# Allegro board pc065c_fibv2_toplevel_28smoothed.brd (continued)
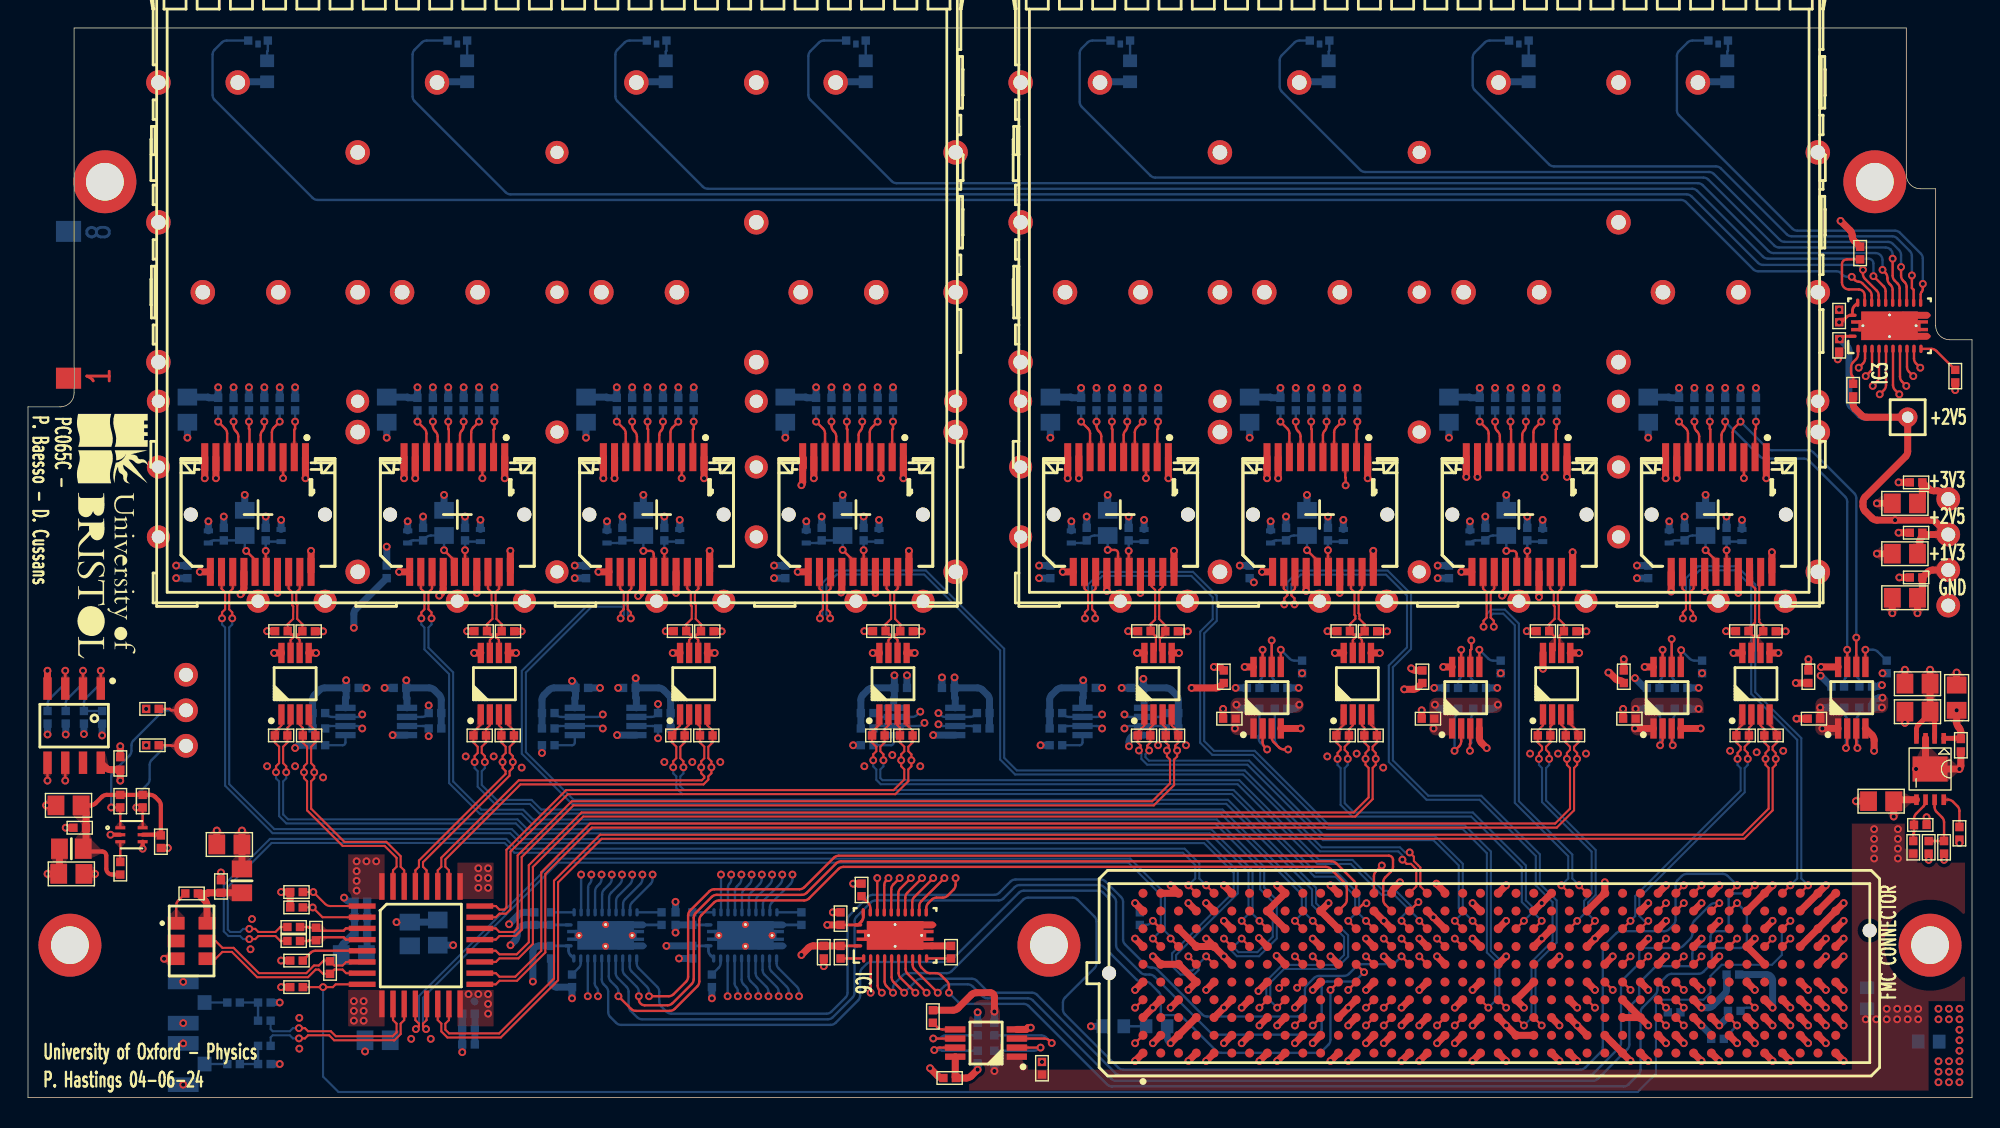
[diagram p0: board, top side]
## Routing (per net, layer and track width the routed paths; a pad name or vN(x,y) marks a point on that pad's centre or on a via; arc(x,y) is an arc through that point) (continued)
  L7_GND w0.5: SFP2.3 91.7,73.4 ; SFP2.3 91.95,72.6 ; SFP2.3 89.84,72.6 ; SFP2.3 90.9,71.55 ; SFP2.3 91.7,71.8 ; SFP2.3 90.1,73.4 ; SFP2.3 90.1,71.8 ; SFP2.3 90.9,73.66 ; 69.97,45.1 SFP2.29 ; SFP2.29 71.74,44.34 ; SFP2.29 71.98,45.1 ; SFP2.29 70.21,44.34 ; SFP2.29 71.74,45.86 ; SFP2.29 70.21,45.86 ; SFP2.29 70.97,46.1 ; SFP2.29 70.97,44.09 ; SFP1.43 50.51,34.74 ; SFP1.43 48.74,35.5 ; SFP1.43 50.51,36.26 ; SFP1.43 48.99,34.74 ; SFP1.43 49.75,36.51 ; SFP1.43 49.75,34.49 ; SFP1.43 50.76,35.5 ; SFP1.43 48.99,36.26 ; 59.2,34.49 SFP1.44 ; SFP1.44 59.96,36.26 ; SFP1.44 58.44,36.26 ; SFP1.44 58.2,35.5 ; SFP1.44 58.44,34.74 ; SFP1.44 60.2,35.5 ; SFP1.44 59.96,34.74 ; SFP1.44 59.2,36.51 ; SFP2.9 129.03,67.6 ; SFP2.9 126.92,67.6 ; SFP2.9 128.77,66.8 ; SFP2.9 128.77,68.4 ; SFP2.9 127.97,68.66 ; SFP2.9 127.18,68.4 ; SFP2.9 127.18,66.8 ; SFP2.9 127.97,66.55 ; SFP2.8 100.48,67.6 ; SFP2.8 98.71,66.84 ; SFP2.8 100.24,66.84 ; SFP2.8 100.24,68.36 ; SFP2.8 98.71,68.36 ; SFP2.8 99.47,66.59 ; SFP2.8 98.47,67.6 ; SFP2.8 99.47,68.61 ; 37.06,36.84 SFP1.40 ; SFP1.40 37.06,38.36 ; SFP1.40 36.82,37.6 ; SFP1.40 37.83,38.6 ; SFP1.40 38.59,38.36 ; SFP1.40 37.83,36.59 ; 91.59,36.26 SFP2.39 ; SFP2.39 91.59,34.74 ; SFP2.39 92.35,34.49 ; SFP2.39 93.11,36.26 ; SFP2.39 93.36,35.5 ; SFP2.39 92.35,36.51 ; SFP2.39 91.34,35.5 ; SFP2.39 93.11,34.74 ; 133.1,54.42 133.1,54.85 ; 133.1,54.42 132.75,54.07 ; 133.1,54.42 133.53,54.42 ; 133.1,54.42 132.75,54.78 ; 133.1,54.42 133.46,54.78 ; 133.1,54.42 133.1,53.99 ; 133.1,54.42 133.46,54.07 ; 133.1,54.42 132.67,54.42 ; 59.85,58.4 SFP1.21 ; SFP1.21 61.7,57.6 ; SFP1.21 59.85,56.8 ; SFP1.21 61.45,56.8 ; SFP1.21 60.65,56.55 ; SFP1.21 59.59,57.6 ; SFP1.21 60.65,58.66 ; SFP1.21 61.45,58.4 ; 136.52,35.97 J40.1 ; J40.1 136.27,35.19 ; J40.1 137.3,36.22 ; J40.1 138.33,35.19 ; J40.1 138.08,34.41 ; J40.1 137.3,34.16 ; J40.1 136.52,34.41 ; J40.1 138.08,35.97 ; IC3.29 135.35,54.84 ; IC3.29 134.65,55.55 ; IC3.29 135,54.77 ; IC3.29 134.65,54.84 ; IC3.29 134.57,55.2 ; IC3.29 135,55.63 ; IC3.29 135.35,55.55 ; IC3.29 135.43,55.2 ; SFP1.15 27.55,56.8 ; SFP1.15 25.95,58.4 ; SFP1.15 27.8,57.6 ; SFP1.15 25.95,56.8 ; SFP1.15 26.75,56.55 ; SFP1.15 25.7,57.6 ; SFP1.15 27.55,58.4 ; SFP1.15 26.75,58.66 ; SFP1.7 24.37,68.4 ; SFP1.7 23.57,68.66 ; SFP1.7 24.37,66.8 ; SFP1.7 24.63,67.6 ; SFP1.7 23.57,66.55 ; SFP1.7 22.52,67.6 ; SFP1.7 22.78,66.8 ; SFP1.7 22.78,68.4 ; SFP2.6 120.2,71.8 ; SFP2.6 118.6,71.8 ; SFP2.6 120.2,73.4 ; SFP2.6 119.4,73.66 ; SFP2.6 119.4,71.55 ; SFP2.6 120.45,72.6 ; SFP2.6 118.6,73.4 ; SFP2.6 118.34,72.6 ; SFP1.22 67.12,58.4 ; SFP1.22 66.33,58.66 ; SFP1.22 65.53,56.8 ; SFP1.22 65.53,58.4 ; SFP1.22 65.27,57.6 ; SFP1.22 66.33,56.55 ; SFP1.22 67.38,57.6 ; SFP1.22 67.12,56.8 ; 8.56,49.04 9.32,49.8 ; 9.32,49.8 10.33,49.8 ; 9.32,49.8 9.32,50.8 ; 9.32,49.8 8.56,50.56 ; 9.32,49.8 9.32,48.8 ; 9.32,49.8 10.09,49.04 ; 9.32,49.8 10.09,50.56 ; 9.32,49.8 8.32,49.8 ; 9.32,45.1 10.09,44.34 ; 9.32,45.1 8.56,44.34 ; 9.32,45.1 9.32,46.1 ; 9.32,45.1 8.56,45.86 ; 9.32,45.1 8.32,45.1 ; 9.32,45.1 10.09,45.86 ; 9.32,45.1 10.33,45.1 ; 9.32,45.1 9.32,44.09 ; 23.57,46.55 SFP1.30 ; SFP1.30 22.78,48.4 ; SFP1.30 24.63,47.6 ; SFP1.30 22.78,46.8 ; SFP1.30 23.57,48.66 ; SFP1.30 22.52,47.6 ; SFP1.30 24.37,46.8 ; SFP1.30 24.37,48.4 ; SFP1.16 32.95,58.4 ; SFP1.16 32.95,56.8 ; SFP1.16 31.35,56.8 ; SFP1.16 31.09,57.6 ; SFP1.16 33.2,57.6 ; SFP1.16 31.35,58.4 ; SFP1.16 32.15,56.55 ; SFP1.16 32.15,58.66 ; 98.47,37.6 SFP2.40 ; SFP2.40 99.47,38.6 ; SFP2.40 98.71,38.36 ; SFP2.40 98.71,36.84 ; SFP2.40 100.24,38.36 ; SFP2.40 99.47,36.59 ; SFP1.32 53.08,45.1 ; SFP1.32 51.31,44.34 ; SFP1.32 52.84,45.86 ; SFP1.32 51.31,45.86 ; SFP1.32 52.08,44.09 ; SFP1.32 51.07,45.1 ; SFP1.32 52.84,44.34 ; SFP1.32 52.08,46.1 ; 78.5,57.6 SFP2.13 ; SFP2.13 80.35,56.8 ; SFP2.13 78.75,56.8 ; SFP2.13 78.75,58.4 ; SFP2.13 80.35,58.4 ; SFP2.13 80.61,57.6 ; SFP2.13 79.55,56.55 ; SFP2.13 79.55,58.66 ; SFP1.20 56.05,58.4 ; SFP1.20 55.25,56.55 ; SFP1.20 54.45,58.4 ; SFP1.20 55.25,58.66 ; SFP1.20 56.3,57.6 ; SFP1.20 54.45,56.8 ; SFP1.20 54.2,57.6 ; SFP1.20 56.05,56.8 ; 110.64,36.26 SFP2.43 ; SFP2.43 112.16,36.26 ; SFP2.43 111.4,34.49 ; SFP2.43 111.4,36.51 ; SFP2.43 110.64,34.74 ; SFP2.43 112.16,34.74 ; SFP2.43 112.41,35.5 ; SFP2.43 110.39,35.5 ; IC6.26 62.43,10.82 ; IC6.26 62.35,10.47 ; IC6.26 61.65,10.47 ; IC6.26 61.65,11.18 ; IC6.26 62,10.39 ; IC6.26 62.35,11.18 ; IC6.26 62,11.26 ; IC6.26 61.57,10.82 ; 84.43,36.8 SFP2.38 ; SFP2.38 86.02,38.4 ; SFP2.38 85.22,38.66 ; SFP2.38 86.28,37.6 ; SFP2.38 84.43,38.4 ; SFP2.38 86.02,36.8 ; SFP2.38 84.17,37.6 ; SFP2.38 85.22,36.55 ; 112.93,71.8 SFP2.5 ; SFP2.5 114.78,72.6 ; SFP2.5 114.52,71.8 ; SFP2.5 112.67,72.6 ; SFP2.5 112.93,73.4 ; SFP2.5 114.52,73.4 ; SFP2.5 113.72,73.66 ; SFP2.5 113.72,71.55 ; SFP2.4 105.95,71.8 ; SFP2.4 104.35,71.8 ; SFP2.4 106.2,72.6 ; SFP2.4 105.15,73.66 ; SFP2.4 104.35,73.4 ; SFP2.4 104.09,72.6 ; SFP2.4 105.95,73.4 ; SFP2.4 105.15,71.55 ; SFP2.1 70.97,73.66 ; SFP2.1 70.18,73.4 ; SFP2.1 70.18,71.8 ; SFP2.1 70.97,71.55 ; SFP2.1 72.03,72.6 ; SFP2.1 71.77,73.4 ; SFP2.1 71.77,71.8 ; SFP2.1 69.92,72.6 ; 65.53,68.4 SFP1.9 ; SFP1.9 66.33,68.66 ; SFP1.9 67.12,66.8 ; SFP1.9 66.33,66.55 ; SFP1.9 67.12,68.4 ; SFP1.9 65.27,67.6 ; SFP1.9 67.38,67.6 ; SFP1.9 65.53,66.8 ; 51.07,40.1 SFP1.35 ; SFP1.35 52.08,41.1 ; SFP1.35 51.31,40.86 ; SFP1.35 52.08,39.09 ; SFP1.35 52.84,40.86 ; SFP1.35 52.84,39.34 ; SFP1.35 51.31,39.34 ; SFP1.35 53.08,40.1 ; 127.18,38.4 SFP2.46 ; SFP2.46 127.18,36.8 ; SFP2.46 127.97,38.66 ; SFP2.46 127.97,36.55 ; SFP2.46 128.77,36.8 ; SFP2.46 126.92,37.6 ; SFP2.46 128.77,38.4 ; SFP2.46 129.03,37.6 ; 84.43,68.4 SFP2.7 ; SFP2.7 86.02,68.4 ; SFP2.7 86.28,67.6 ; SFP2.7 85.22,68.66 ; SFP2.7 85.22,66.55 ; SFP2.7 84.43,66.8 ; SFP2.7 84.17,67.6 ; SFP2.7 86.02,66.8 ; 41,56.55 SFP1.18 ; SFP1.18 40.2,58.4 ; SFP1.18 40.2,56.8 ; SFP1.18 42.05,57.6 ; SFP1.18 41,58.66 ; SFP1.18 41.8,58.4 ; SFP1.18 41.8,56.8 ; SFP1.18 39.95,57.6 ; 119.84,35.5 SFP2.44 ; SFP2.44 121.61,36.26 ; SFP2.44 121.61,34.74 ; SFP2.44 120.09,34.74 ; SFP2.44 120.85,34.49 ; SFP2.44 121.86,35.5 ; SFP2.44 120.85,36.51 ; SFP2.44 120.09,36.26 ; SFP2.30 86.28,47.6 ; SFP2.30 86.02,46.8 ; SFP2.30 84.43,46.8 ; SFP2.30 84.17,47.6 ; SFP2.30 85.22,48.66 ; SFP2.30 85.22,46.55 ; SFP2.30 84.43,48.4 ; SFP2.30 86.02,48.4 ; SFP2.12 74.15,58.66 ; SFP2.12 74.15,56.55 ; SFP2.12 73.35,56.8 ; SFP2.12 74.95,56.8 ; SFP2.12 75.2,57.6 ; SFP2.12 73.09,57.6 ; SFP2.12 74.95,58.4 ; SFP2.12 73.35,58.4 ; 52.08,71.55 SFP1.5 ; SFP1.5 52.08,73.66 ; SFP1.5 52.87,71.8 ; SFP1.5 51.02,72.6 ; SFP1.5 53.13,72.6 ; SFP1.5 52.87,73.4 ; SFP1.5 51.28,71.8 ; SFP1.5 51.28,73.4 ; IC6.27 62,12.8 ; IC6.27 62.35,12.73 ; IC6.27 61.65,12.73 ; IC6.27 62,11.95 ; IC6.27 61.65,12.02 ; IC6.27 62.35,12.02 ; IC6.27 61.57,12.38 ; IC6.27 62.43,12.38 ; SFP1.39 31.7,35.5 ; SFP1.39 31.46,34.74 ; SFP1.39 30.7,36.51 ; SFP1.39 30.7,34.49 ; SFP1.39 29.94,34.74 ; SFP1.39 29.94,36.26 ; SFP1.39 29.7,35.5 ; SFP1.39 31.46,36.26 ; 70.18,63.4 SFP2.10 ; SFP2.10 70.18,61.8 ; SFP2.10 71.77,63.4 ; SFP2.10 69.92,62.6 ; SFP2.10 70.97,63.66 ; SFP2.10 72.03,62.6 ; SFP2.10 70.97,61.55 ; SFP2.10 71.77,61.8 ; SFP1.3 30.3,72.6 ; SFP1.3 28.45,71.8 ; SFP1.3 29.25,73.66 ; SFP1.3 30.05,71.8 ; SFP1.3 30.05,73.4 ; SFP1.3 29.25,71.55 ; SFP1.3 28.2,72.6 ; SFP1.3 28.45,73.4 ; SFP1.28 67.33,49.8 ; SFP1.28 65.32,49.8 ; SFP1.28 66.33,50.8 ; SFP1.28 67.09,50.56 ; SFP1.28 66.33,48.8 ; SFP1.28 67.09,49.04 ; SFP1.28 65.56,50.56 ; SFP1.28 65.56,49.04 ; 63.55,11.96 IC6.29 ; IC6.29 63.9,12.03 ; IC6.29 63.9,11.17 ; IC6.29 64.33,11.6 ; IC6.29 63.47,11.6 ; IC6.29 64.25,11.96 ; IC6.29 64.25,11.24 ; IC6.29 63.55,11.24 ; 22.78,58.4 SFP1.14 ; SFP1.14 24.63,57.6 ; SFP1.14 23.57,56.55 ; SFP1.14 23.57,58.66 ; SFP1.14 22.78,56.8 ; SFP1.14 22.52,57.6 ; SFP1.14 24.37,56.8 ; SFP1.14 24.37,58.4 ; IC5.26 51.66,12.02 ; IC5.26 50.95,12.73 ; IC5.26 50.87,12.38 ; IC5.26 51.66,12.73 ; IC5.26 51.73,12.38 ; IC5.26 50.95,12.02 ; IC5.26 51.3,12.8 ; IC5.26 51.3,11.95 ; 105.84,34.74 SFP2.42 ; SFP2.42 107.61,35.5 ; SFP2.42 105.59,35.5 ; SFP2.42 105.84,36.26 ; SFP2.42 107.36,34.74 ; SFP2.42 106.6,36.51 ; SFP2.42 106.6,34.49 ; SFP2.42 107.36,36.26 ; SFP1.13 17.9,58.66 ; SFP1.13 17.1,58.4 ; SFP1.13 17.1,56.8 ; SFP1.13 16.84,57.6 ; SFP1.13 17.9,56.55 ; SFP1.13 18.7,58.4 ; SFP1.13 18.95,57.6 ; SFP1.13 18.7,56.8 ; 50.95,11.18 IC5.27 ; IC5.27 51.3,10.39 ; IC5.27 50.95,10.47 ; IC5.27 51.66,11.18 ; IC5.27 51.66,10.47 ; IC5.27 51.3,11.26 ; IC5.27 51.73,10.82 ; IC5.27 50.87,10.82 ; IC5.28 49.4,12.03 ; IC5.28 49.4,11.17 ; IC5.28 49.05,11.24 ; IC5.28 49.76,11.96 ; IC5.28 49.83,11.6 ; IC5.28 49.76,11.24 ; IC5.28 49.05,11.96 ; IC5.28 48.97,11.6 ; SFP1.8 38.59,68.36 ; SFP1.8 36.82,67.6 ; SFP1.8 37.06,66.84 ; SFP1.8 38.83,67.6 ; SFP1.8 37.83,66.59 ; SFP1.8 37.06,68.36 ; SFP1.8 38.59,66.84 ; SFP1.8 37.83,68.61 ; 8.53,73.4 9.32,72.6 ; 9.32,72.6 10.12,73.4 ; 9.32,72.6 8.27,72.6 ; 9.32,72.6 10.12,71.8 ; 9.32,72.6 9.32,71.55 ; 9.32,72.6 10.38,72.6 ; 9.32,72.6 9.32,73.66 ; 9.32,72.6 8.53,71.8 ; 36.82,57.6 SFP1.17 ; SFP1.17 38.59,58.36 ; SFP1.17 37.06,58.36 ; SFP1.17 37.83,56.59 ; SFP1.17 38.83,57.6 ; SFP1.17 38.59,56.84 ; SFP1.17 37.83,58.6 ; SFP1.17 37.06,56.84 ; 37.06,46.84 SFP1.31 ; SFP1.31 38.59,48.36 ; SFP1.31 37.83,48.6 ; SFP1.31 38.59,46.84 ; SFP1.31 37.06,48.36 ; SFP1.31 36.82,47.6 ; SFP1.31 37.83,46.59 ; SFP1.31 38.83,47.6 ; IC4.29 43.2,12.03 ; IC4.29 42.84,11.96 ; IC4.29 42.84,11.24 ; IC4.29 42.77,11.6 ; IC4.29 43.63,11.6 ; IC4.29 43.2,11.17 ; IC4.29 43.55,11.96 ; IC4.29 43.55,11.24 ; 76.65,71.55 SFP2.2 ; SFP2.2 77.45,71.8 ; SFP2.2 75.59,72.6 ; SFP2.2 75.85,71.8 ; SFP2.2 77.45,73.4 ; SFP2.2 77.7,72.6 ; SFP2.2 75.85,73.4 ; SFP2.2 76.65,73.66 ; SFP1.46 67.12,36.8 ; SFP1.46 66.33,36.55 ; SFP1.46 67.12,38.4 ; SFP1.46 65.27,37.6 ; SFP1.46 66.33,38.66 ; SFP1.46 65.53,36.8 ; SFP1.46 65.53,38.4 ; SFP1.46 67.38,37.6 ; SFP2.17 100.24,58.36 ; SFP2.17 99.47,58.6 ; SFP2.17 100.24,56.84 ; SFP2.17 98.71,58.36 ; SFP2.17 98.71,56.84 ; SFP2.17 100.48,57.6 ; SFP2.17 99.47,56.59 ; SFP2.17 98.47,57.6 ; SFP1.38 24.63,37.6 ; SFP1.38 22.52,37.6 ; SFP1.38 23.57,36.55 ; SFP1.38 23.57,38.66 ; SFP1.38 24.37,38.4 ; SFP1.38 22.78,36.8 ; SFP1.38 24.37,36.8 ; SFP1.38 22.78,38.4 ; 112.93,51.8 SFP2.27 ; SFP2.27 113.72,51.55 ; SFP2.27 112.93,53.4 ; SFP2.27 113.72,53.66 ; SFP2.27 114.52,51.8 ; SFP2.27 114.52,53.4 ; SFP2.27 114.78,52.6 ; SFP2.27 112.67,52.6 ; 65.27,47.6 SFP1.33 ; SFP1.33 65.53,48.4 ; SFP1.33 67.12,48.4 ; SFP1.33 67.38,47.6 ; SFP1.33 66.33,48.66 ; SFP1.33 65.53,46.8 ; SFP1.33 67.12,46.8 ; SFP1.33 66.33,46.55 ; SFP2.32 114.73,45.1 ; SFP2.32 114.49,44.34 ; SFP2.32 112.96,45.86 ; SFP2.32 113.72,44.09 ; SFP2.32 114.49,45.86 ; SFP2.32 112.96,44.34 ; SFP2.32 113.72,46.1 ; SFP2.32 112.72,45.1 ; SFP2.14 85.22,58.66 ; SFP2.14 84.43,58.4 ; SFP2.14 86.02,56.8 ; SFP2.14 84.43,56.8 ; SFP2.14 85.22,56.55 ; SFP2.14 84.17,57.6 ; SFP2.14 86.28,57.6 ; SFP2.14 86.02,58.4 ; SFP2.45 126.41,34.74 ; SFP2.45 124.89,34.74 ; SFP2.45 126.41,36.26 ; SFP2.45 124.89,36.26 ; SFP2.45 125.65,34.49 ; SFP2.45 126.66,35.5 ; SFP2.45 125.65,36.51 ; SFP2.45 124.64,35.5 ; 9.32,40.1 10.33,40.1 ; 9.32,40.1 10.09,39.34 ; 9.32,40.1 9.32,39.09 ; 9.32,40.1 9.32,41.1 ; 9.32,40.1 8.56,39.34 ; 9.32,40.1 8.56,40.86 ; 9.32,40.1 8.32,40.1 ; 9.32,40.1 10.09,40.86 ; 44.19,34.74 SFP1.42 ; SFP1.42 45.95,35.5 ; SFP1.42 43.95,35.5 ; SFP1.42 44.19,36.26 ; SFP1.42 45.71,36.26 ; SFP1.42 44.95,34.49 ; SFP1.42 44.95,36.51 ; SFP1.42 45.71,34.74 ; SFP2.20 117.95,57.6 ; SFP2.20 116.1,56.8 ; SFP2.20 116.1,58.4 ; SFP2.20 115.84,57.6 ; SFP2.20 116.9,56.55 ; SFP2.20 117.7,58.4 ; SFP2.20 116.9,58.66 ; SFP2.20 117.7,56.8 ; IC4.28 39.76,11.96 ; IC4.28 39.05,11.24 ; IC4.28 39.05,11.96 ; IC4.28 39.76,11.24 ; IC4.28 38.97,11.6 ; IC4.28 39.4,11.17 ; IC4.28 39.4,12.03 ; IC4.28 39.83,11.6 ; SFP1.36 17.21,34.74 ; SFP1.36 15.45,35.5 ; SFP1.36 15.69,34.74 ; SFP1.36 16.45,36.51 ; SFP1.36 17.45,35.5 ; SFP1.36 16.45,34.49 ; SFP1.36 15.69,36.26 ; SFP1.36 17.21,36.26 ; SFP1.11 52.87,61.8 ; SFP1.11 51.02,62.6 ; SFP1.11 52.08,61.55 ; SFP1.11 51.28,63.4 ; SFP1.11 53.13,62.6 ; SFP1.11 51.28,61.8 ; SFP1.11 52.87,63.4 ; SFP1.11 52.08,63.66 ; 52.08,51.55 SFP1.27 ; SFP1.27 51.28,51.8 ; SFP1.27 52.87,53.4 ; SFP1.27 52.08,53.66 ; SFP1.27 51.28,53.4 ; SFP1.27 51.02,52.6 ; SFP1.27 53.13,52.6 ; SFP1.27 52.87,51.8 ; IC4.27 41.3,11.26 ; IC4.27 40.95,10.47 ; IC4.27 40.95,11.18 ; IC4.27 41.66,10.47 ; IC4.27 41.3,10.39 ; IC4.27 41.73,10.82 ; IC4.27 41.66,11.18 ; IC4.27 40.87,10.82 ; 92.75,57.6 SFP2.16 ; SFP2.16 94.6,56.8 ; SFP2.16 94.6,58.4 ; SFP2.16 93,56.8 ; SFP2.16 93.8,58.66 ; SFP2.16 94.86,57.6 ; SFP2.16 93.8,56.55 ; SFP2.16 93,58.4 ; 127.21,50.56 SFP2.28 ; SFP2.28 128.74,49.04 ; SFP2.28 127.21,49.04 ; SFP2.28 128.98,49.8 ; SFP2.28 127.97,48.8 ; SFP2.28 128.74,50.56 ; SFP2.28 126.97,49.8 ; SFP2.28 127.97,50.8 ; 130.77,55.2 IC3.28 ; IC3.28 131.2,54.77 ; IC3.28 130.84,55.55 ; IC3.28 130.84,54.84 ; IC3.28 131.2,55.63 ; IC3.28 131.56,54.84 ; IC3.28 131.56,55.55 ; IC3.28 131.63,55.2 ; SFP2.21 123.1,56.8 ; SFP2.21 122.3,56.55 ; SFP2.21 121.25,57.6 ; SFP2.21 122.3,58.66 ; SFP2.21 123.36,57.6 ; SFP2.21 121.5,58.4 ; SFP2.21 121.5,56.8 ; SFP2.21 123.1,58.4 ; 88.4,56.55 SFP2.15 ; SFP2.15 87.34,57.6 ; SFP2.15 87.6,58.4 ; SFP2.15 89.2,58.4 ; SFP2.15 88.4,58.66 ; SFP2.15 89.2,56.8 ; SFP2.15 87.6,56.8 ; SFP2.15 89.45,57.6 ; 15,71.55 SFP1.2 ; SFP1.2 13.95,72.6 ; SFP1.2 14.2,73.4 ; SFP1.2 15.8,73.4 ; SFP1.2 16.05,72.6 ; SFP1.2 15,73.66 ; SFP1.2 15.8,71.8 ; SFP1.2 14.2,71.8 ; SFP2.41 97.15,36.51 ; SFP2.41 98.16,35.5 ; SFP2.41 96.14,35.5 ; SFP2.41 96.39,34.74 ; SFP2.41 96.39,36.26 ; SFP2.41 97.91,36.26 ; SFP2.41 97.91,34.74 ; SFP2.41 97.15,34.49 ; SFP1.26 52.84,50.56 ; SFP1.26 52.08,50.8 ; SFP1.26 52.84,49.04 ; SFP1.26 53.08,49.8 ; SFP1.26 51.07,49.8 ; SFP1.26 51.31,50.56 ; SFP1.26 51.31,49.04 ; SFP1.26 52.08,48.8 ; 127.18,56.8 SFP2.22 ; SFP2.22 126.92,57.6 ; SFP2.22 127.18,58.4 ; SFP2.22 128.77,58.4 ; SFP2.22 127.97,58.66 ; SFP2.22 129.03,57.6 ; SFP2.22 128.77,56.8 ; SFP2.22 127.97,56.55 ; SFP2.19 108.05,58.66 ; SFP2.19 107.25,58.4 ; SFP2.19 108.85,56.8 ; SFP2.19 108.85,58.4 ; SFP2.19 108.05,56.55 ; SFP2.19 107,57.6 ; SFP2.19 107.25,56.8 ; SFP2.19 109.11,57.6 ; IC6.28 60.1,12.03 ; IC6.28 60.45,11.24 ; IC6.28 60.53,11.6 ; IC6.28 59.74,11.24 ; IC6.28 59.74,11.96 ; IC6.28 60.1,11.17 ; IC6.28 60.45,11.96 ; IC6.28 59.67,11.6 ; 10.52,29.46 J1.1 ; J1.1 10.27,30.24 ; J1.1 11.3,29.21 ; J1.1 12.33,30.24 ; J1.1 12.08,31.02 ; J1.1 10.52,31.02 ; J1.1 12.08,29.46 ; J1.1 11.3,31.27 ; SFP2.33 129.03,47.6 ; SFP2.33 128.77,46.8 ; SFP2.33 127.97,48.66 ; SFP2.33 127.18,46.8 ; SFP2.33 128.77,48.4 ; SFP2.33 127.97,46.55 ; SFP2.33 126.92,47.6 ; SFP2.33 127.18,48.4 ; SFP1.19 47.45,57.6 ; SFP1.19 45.6,58.4 ; SFP1.19 45.6,56.8 ; SFP1.19 47.2,56.8 ; SFP1.19 47.2,58.4 ; SFP1.19 46.4,56.55 ; SFP1.19 45.34,57.6 ; SFP1.19 46.4,58.66 ; SFP1.45 64.76,36.26 ; SFP1.45 62.99,35.5 ; SFP1.45 63.24,36.26 ; SFP1.45 64,34.49 ; SFP1.45 63.24,34.74 ; SFP1.45 65,35.5 ; SFP1.45 64,36.51 ; SFP1.45 64.76,34.74 ; 9.32,62.6 10.12,61.8 ; 9.32,62.6 8.53,61.8 ; 9.32,62.6 8.53,63.4 ; 9.32,62.6 8.27,62.6 ; 9.32,62.6 9.32,63.66 ; 9.32,62.6 10.38,62.6 ; 9.32,62.6 9.32,61.55 ; 9.32,62.6 10.12,63.4 ; SFP2.35 114.49,39.34 ; SFP2.35 112.72,40.1 ; SFP2.35 114.49,40.86 ; SFP2.35 113.72,41.1 ; SFP2.35 112.96,40.86 ; SFP2.35 113.72,39.09 ; SFP2.35 114.73,40.1 ; SFP2.35 112.96,39.34 ; 112.67,62.6 SFP2.11 ; SFP2.11 114.52,61.8 ; SFP2.11 113.72,61.55 ; SFP2.11 112.93,61.8 ; SFP2.11 112.93,63.4 ; SFP2.11 114.78,62.6 ; SFP2.11 114.52,63.4 ; SFP2.11 113.72,63.66 ; SFP1.25 24.34,50.56 ; SFP1.25 22.57,49.8 ; SFP1.25 23.57,48.8 ; SFP1.25 24.58,49.8 ; SFP1.25 23.57,50.8 ; SFP1.25 22.81,50.56 ; SFP1.25 24.34,49.04 ; SFP1.25 22.81,49.04 ; IC4.26 41.66,12.02 ; IC4.26 41.73,12.38 ; IC4.26 40.95,12.02 ; IC4.26 41.66,12.73 ; IC4.26 40.95,12.73 ; IC4.26 40.87,12.38 ; IC4.26 41.3,12.8 ; IC4.26 41.3,11.95 ; 9.32,52.6 10.12,51.8 ; 9.32,52.6 9.32,51.55 ; 9.32,52.6 10.12,53.4 ; 9.32,52.6 10.38,52.6 ; 9.32,52.6 8.53,51.8 ; 9.32,52.6 8.53,53.4 ; 9.32,52.6 8.27,52.6 ; 9.32,52.6 9.32,53.66 ; SFP2.25 85.99,50.56 ; SFP2.25 85.22,48.8 ; SFP2.25 86.23,49.8 ; SFP2.25 84.46,49.04 ; SFP2.25 85.22,50.8 ; SFP2.25 84.46,50.56 ; SFP2.25 85.99,49.04 ; SFP2.25 84.22,49.8 ; 11.7,56.8 SFP1.12 ; SFP1.12 13.3,58.4 ; SFP1.12 12.5,58.66 ; SFP1.12 11.7,58.4 ; SFP1.12 12.5,56.55 ; SFP1.12 13.3,56.8 ; SFP1.12 13.55,57.6 ; SFP1.12 11.45,57.6 ; SFP2.36 78.86,36.26 ; SFP2.36 78.86,34.74 ; SFP2.36 77.34,34.74 ; SFP2.36 77.09,35.5 ; SFP2.36 79.11,35.5 ; SFP2.36 78.1,36.51 ; SFP2.36 77.34,36.26 ; SFP2.36 78.1,34.49 ; 34.49,35.5 SFP1.41 ; SFP1.41 34.74,36.26 ; SFP1.41 35.5,34.49 ; SFP1.41 36.26,36.26 ; SFP1.41 35.5,36.51 ; SFP1.41 36.26,34.74 ; SFP1.41 34.74,34.74 ; SFP1.41 36.51,35.5 ; SFP2.34 71.74,39.34 ; SFP2.34 70.97,41.1 ; SFP2.34 71.98,40.1 ; SFP2.34 70.21,40.86 ; SFP2.34 69.97,40.1 ; SFP2.34 70.21,39.34 ; SFP2.34 71.74,40.86 ; SFP2.34 70.97,39.09 ; 42.45,72.6 SFP1.4 ; SFP1.4 44.55,72.6 ; SFP1.4 44.3,73.4 ; SFP1.4 42.7,71.8 ; SFP1.4 43.5,73.66 ; SFP1.4 42.7,73.4 ; SFP1.4 43.5,71.55 ; SFP1.4 44.3,71.8 ; SFP1.37 22.01,34.74 ; SFP1.37 21.25,36.51 ; SFP1.37 22.01,36.26 ; SFP1.37 20.49,34.74 ; SFP1.37 20.49,36.26 ; SFP1.37 20.25,35.5 ; SFP1.37 22.25,35.5 ; SFP1.37 21.25,34.49 ; SFP2.31 99.47,48.6 ; SFP2.31 100.24,46.84 ; SFP2.31 98.71,48.36 ; SFP2.31 98.47,47.6 ; SFP2.31 98.71,46.84 ; SFP2.31 100.24,48.36 ; SFP2.31 100.48,47.6 ; SFP2.31 99.47,46.59 ; SFP2.37 83.66,36.26 ; SFP2.37 82.14,34.74 ; SFP2.37 83.91,35.5 ; SFP2.37 82.9,34.49 ; SFP2.37 81.89,35.5 ; SFP2.37 82.14,36.26 ; SFP2.37 82.9,36.51 ; SFP2.37 83.66,34.74 ; 70.97,48.8 SFP2.23 ; SFP2.23 71.74,49.04 ; SFP2.23 69.97,49.8 ; SFP2.23 71.74,50.56 ; SFP2.23 70.97,50.8 ; SFP2.23 70.21,50.56 ; SFP2.23 70.21,49.04 ; SFP2.23 71.98,49.8 ; SFP2.18 102.65,58.66 ; SFP2.18 101.85,58.4 ; SFP2.18 101.85,56.8 ; SFP2.18 102.65,56.55 ; SFP2.18 101.59,57.6 ; SFP2.18 103.45,58.4 ; SFP2.18 103.45,56.8 ; SFP2.18 103.7,57.6 ; 52.84,11.96 IC5.29 ; IC5.29 53.63,11.6 ; IC5.29 53.55,11.24 ; IC5.29 53.2,12.03 ; IC5.29 52.84,11.24 ; IC5.29 53.55,11.96 ; IC5.29 52.77,11.6 ; IC5.29 53.2,11.17 ; 133.1,55.55 IC3.27 ; IC3.27 133.53,55.98 ; IC3.27 132.75,56.33 ; IC3.27 132.75,55.62 ; IC3.27 133.1,56.41 ; IC3.27 132.67,55.98 ; IC3.27 133.46,56.33 ; IC3.27 133.46,55.62 ; 70.18,51.8 SFP2.24 ; SFP2.24 71.77,51.8 ; SFP2.24 70.97,53.66 ; SFP2.24 69.92,52.6 ; SFP2.24 72.03,52.6 ; SFP2.24 71.77,53.4 ; SFP2.24 70.97,51.55 ; SFP2.24 70.18,53.4 ; 112.96,49.04 SFP2.26 ; SFP2.26 113.72,48.8 ; SFP2.26 114.49,49.04 ; SFP2.26 114.73,49.8 ; SFP2.26 112.96,50.56 ; SFP2.26 113.72,50.8 ; SFP2.26 114.49,50.56 ; SFP2.26 112.72,49.8 ; SFP1.6 58.55,73.4 ; SFP1.6 58.8,72.6 ; SFP1.6 56.7,72.6 ; SFP1.6 57.75,73.66 ; SFP1.6 57.75,71.55 ; SFP1.6 56.95,71.8 ; SFP1.6 56.95,73.4 ; SFP1.6 58.55,71.8
  BOTTOM w0.2: R32.1 IC4.12 ; R71.1 IC5.12
  BOTTOM w0.5: C17.1 v1(24.1,3.3) ; C53.1 v1(58.25,43.1) ; C48.1 v1(44,43.1) ; C72.1 v1(91.45,43.1) ; SFP1.3 29.3,72.65 R33.2 ; v1(78.72,25.13) 78.72,25.43 arc(78.87,25.78) 79.22,25.93 IC16.4 ; IC14.4 v1(42.12,25.93) ; C42.1 v1(31.25,41.55) ; C45.1 v1(39.09,38.05) ; v1(38.9,7.1) R69.1 37.8,7.9 arc(37.52,8.02) 37.4,8.3 C23.2 ; IC15.4 v1(64.72,25.93) ; C33.1 v1(17,41.55) ; C86.1 v1(62.85,30.2) ; v1(22.6,14.3) 22.75,14.15 arc(22.92,14.04) 23.11,14 C7.1 C9.1 C11.1 22.55,11 arc(22.44,10.83) 22.4,10.64 C12.1 ; v1(31.05,3.25) C15.1 C14.1 C13.1 ; C64.1 v1(100.8,38.05) ; C65.1 v1(101.6,47.2) ; C82.1 v1(24.2,29.3) ; R59.2 57.8,72.65 SFP1.6 ; C50.1 v1(53.34,38.05) ; C22.1 35.46,13.25 arc(35.27,13.21) 35.1,13.1 v1(34.4,12.4) ; C87.1 v1(78.2,29.3) ; R204.2 v1(2.7,25.97) ; R14.1 81.45,4.34 arc(81.49,4.15) 81.6,3.99 v1(81.7,3.89) ; C51.1 v1(54.15,47.2) ; C31.1 v1(10.6,38.05) ; R58.2 43.55,72.65 SFP1.4 ; C61.1 v1(121.45,41.55) ; C25.2 v1(46.55,9.95) ; C41.1 v1(25.65,47.2) ; R30.2 15.05,72.65 SFP1.2 ; C83.1 v1(42.2,29.3) ; C46.1 v1(39.9,47.2) ; C76.1 v1(78.7,41.55) ; C54.1 v1(56.75,41.55) ; SFP2.4 105.2,72.65 R63.2 ; C67.1 v1(105.7,43.1) ; v1(120.93,5.16) 121.4,5.63 arc(121.51,5.79) 121.55,5.99 R20.1 ; C73.1 v1(89.95,41.55) ; v1(119.66,5.16) 120.2,4.62 arc(120.31,4.45) 120.35,4.26 R16.1 ; C34.1 v1(15.5,43.1) ; C81.1 v1(25.5,29.3) ; C47.1 v1(45.5,41.55) ; C88.1 v1(76.8,29.3) ; IC4.12 42.26,12.35 arc(42.07,12.31) 41.9,12.2 IC4.25 41.9,11 arc(42.07,10.89) 42.26,10.85 IC4.13 ; IC12.4 v1(26.07,25.93) ; C63.1 v1(118.45,41.55) ; R72.1 v1(48.9,7.1) ; R202.2 v1(4,26) ; R17.1 v1(18,6.8) ; R60.2 76.7,72.65 SFP2.2 ; C62.1 v1(119.95,43.1) ; R64.2 119.45,72.65 SFP2.6 ; IC5.13 52.26,10.85 arc(52.07,10.89) 51.9,11 IC5.25 51.9,12.2 arc(52.07,12.31) 52.26,12.35 IC5.12 ; C75.1 v1(73.1,47.2) ; C24.1 v1(46.3,14) ; C77.1 v1(77.2,43.1) ; C74.1 v1(72.3,38.05) ; C85.1 v1(65.35,30.05) ; R15.1 79.5,13.36 arc(79.46,13.55) 79.35,13.72 v1(79.16,13.91) ; C43.1 v1(29.75,43.1) ; C3.1 v1(30.4,10.9) ; C44.1 v1(28.25,41.55) ; C40.1 v1(25.65,39.4) ; C71.1 v1(92.95,41.55) ; R12.1 v1(18,2.4) ; C68.1 v1(104.2,41.55) ; C49.1 v1(42.5,41.55) ; C84.1 v1(40.9,29.3) ; SFP2.3 90.95,72.65 R61.2 ; C59.1 v1(115.05,38.05) ; C70.1 v1(87.35,47.2) ; C32.1 v1(11.4,47.2) ; C52.1 v1(59.75,41.55) ; C35.1 v1(14,41.55) ; C60.1 v1(115.85,47.2) ; C69.1 v1(86.64,38.05) ; C66.1 v1(107.2,41.55) ; C78.1 v1(75.7,41.55) ; R203.2 v1(1.4,25.97)
  vias: v1(11.1,8.28) v1(11.1,5.33) v1(11.1,3.88) v1(11.1,0.93) v1(17.1,23.7) v1(19.1,23.7) v1(21.1,22.9) v1(23.3,6.9) v1(23.3,6.2) v1(23.3,5.5) v1(24,6.9) v1(24,6.2) v1(24,5.5) v1(31.3,24.4) v1(32.2,16.4) v1(32.2,15.7) v1(32.2,15) v1(32.9,16.4) v1(32.9,15.7) v1(32.9,15) v1(33.3,24.4) v1(35.3,23.6) v1(45.5,24) v1(47.5,24) v1(49.5,24) v1(59.8,23.7) v1(61.8,24.5) v1(63.8,23.7) v1(72.5,2.55) v1(80.8,25.2) v1(82.8,25.2) v1(92.9,24.4) v1(95,24.6) v1(96.9,23.6) v1(107.4,24.6) v1(109.4,24.6) v1(111.4,24.6) v1(121.7,24.8) v1(123.6,24.7) v1(125.5,24.8) v1(129.5,56.35)
